# Altium PCB SysUprTestUUDown.PcbDoc (part 1 of 3) (continued)
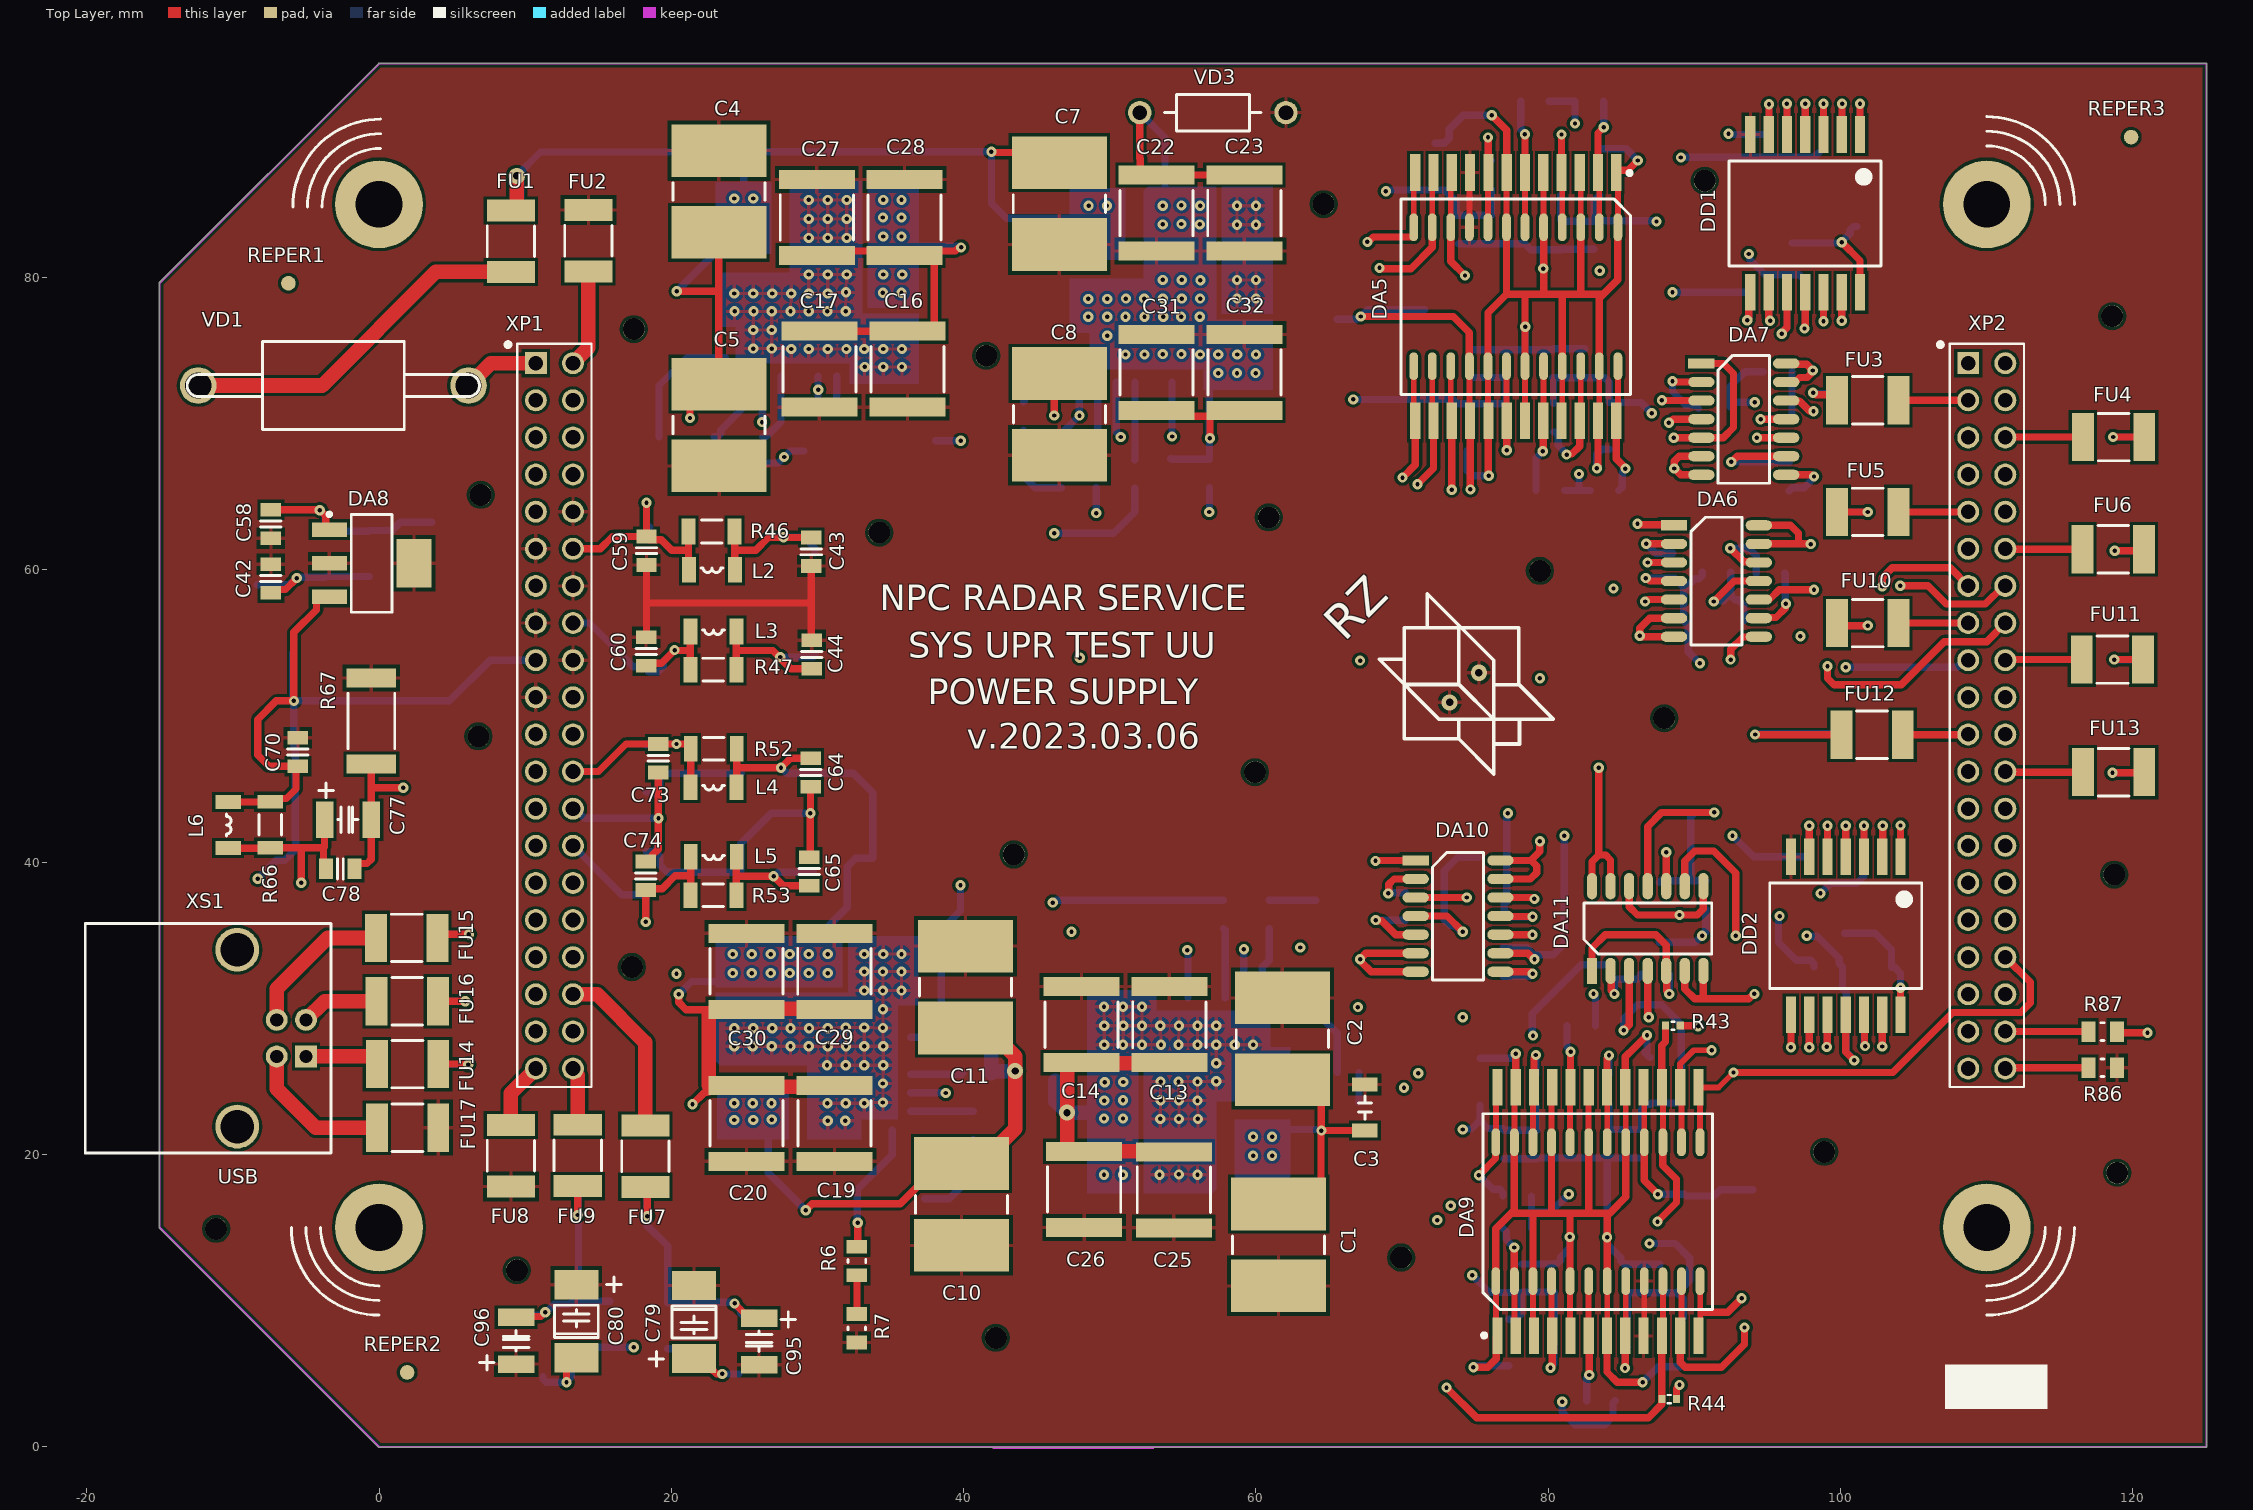
[diagram p0: Top Layer view]
## Footprints (in the part's own frame and the unit in brackets; to place one, negate y for a bottom-side part, rotate by r counter-clockwise, add the part's x,y. Pads: shape width x height; smd on the part's side, far side on the other; paste and mask are expansions set on the pad) (continued)
CapCaseB [mm]
  rect 2.5x1.2 smd: 1(0,1.6) 2(0,-1.6)
  silkscreen extent -2.5,-2 0.87,0.7, body extent -1.46,-1.85 1.47,1.85, height 2.03
CapCaseC [mm]
  rect 3x2 smd: 1(0,2.5) 2(0,-2.5)
  silkscreen extent -3.08,-3.02 1.5,1.1, body extent -1.75,-3.15 1.75,3.15, height 2.8
CapCaseD [mm]
  rect 3.2x2 smd: 1(0,3.5) 2(0,-3.5)
  silkscreen extent -3.65,-3.95 1.5,2, body extent -2.3,-3.8 2.3,3.8, height 3.1
DO-201AD [mm]
  round 2.5 hole 1.8 mask+0.02: A(-9.25,0) K(9.25,0)
  silkscreen extent -10,-3 10,3, body extent -9.9,-2.8 9.9,2.8, height 7.3
Ind1206 [mm] "Chip Inductor, 2-Leads, Body 3,20x1,60mm, IPC Medium Density"
  rect 1.75x0.95 smd: 1(0,1.575) 2(0,-1.575)
  silkscreen extent -0.1,-0.75 0.2,0.75, body extent -0.8,-1.6 0.8,1.6, height 0.6
"KD-4A 3D713A;3D713B" [mm]
  round 1.6 hole 1 mask+0.02: A(0,0) K(10,0)
  silkscreen extent 1.7,-1.25 8.3,1.25, body extent -0.38,-1.25 10.42,1.25, height 2.55
LTM8027_LGA-121 [mm] "BGA, 1-Leads, Body 15,00x15,00mmx4,30mm, Pitch 1,27mm"
  rrect50% 0.6x0.6 smd: A1(-6.35,-6.35) A1(-6.35,2.54) A1(-6.35,3.81) A1(-6.35,5.08) A1(-6.35,6.35) A1(-5.08,0) A1(-5.08,6.35) A1(-5.08,-5.08) A1(-5.08,-3.81) A1(-5.08,-2.54) A1(-5.08,-1.27) A1(-5.08,1.27) A1(-5.08,2.54) A1(-5.08,3.81) A1(-5.08,5.08) A1(-3.81,-5.08) A1(-3.81,-3.81) A1(-3.81,-2.54) A1(-3.81,-1.27) A1(-3.81,0) A1(-3.81,1.27) A1(-3.81,2.54) A1(-3.81,3.81) A1(-3.81,5.08) A1(-3.81,6.35) A1(-2.54,-6.35) A1(-2.54,-5.08) A1(-2.54,-3.81) A1(-2.54,-2.54) A1(-2.54,-1.27) A1(-2.54,0) A1(-2.54,1.27) A1(-2.54,2.54) A1(-2.54,3.81) A1(-2.54,5.08) A1(-2.54,6.35) A1(-1.27,-5.08) A1(-1.27,-3.81) A1(-1.27,-2.54) A1(-1.27,-1.27) A1(-1.27,1.27) A1(-1.27,2.54) A1(-1.27,-6.35) A1(-1.27,0) A1(0,-6.35) A1(0,-5.08) A1(0,-3.81) A1(0,-2.54) A1(0,-1.27) A1(0,0) A1(0,1.27) A1(0,2.54) A1(1.27,0) A1(1.27,-1.27) A1(1.27,1.27) A1(1.27,2.54) A1(2.54,-1.27) A1(2.54,0) A1(2.54,1.27) A1(2.54,2.54) A1(3.81,-1.27) A1(3.81,0) A1(3.81,1.27) A1(3.81,2.54) A1(5.08,-1.27) A1(5.08,1.27) A1(5.08,2.54) A1(5.08,0) A1(6.35,-1.27) A1(6.35,0) A1(6.35,1.27) A1(6.35,2.54) A2(-6.35,-5.08) A3(-6.35,-3.81) A4(-6.35,-2.54) A5(-6.35,-1.27) A6(-6.35,0) A7(-6.35,1.27) B1(-5.08,-6.35) C1(-3.81,-6.35) J1(2.54,-6.35) J1(2.54,-5.08) J1(2.54,-3.81) J1(3.81,-6.35) J1(3.81,-5.08) J1(3.81,-3.81) J1(5.08,-5.08) J1(5.08,-3.81) J1(5.08,-6.35) J1(6.35,-6.35) J1(6.35,-5.08) J1(6.35,-3.81) J9(-1.27,3.81) J9(-1.27,5.08) J9(-1.27,6.35) J9(0,3.81) J9(0,5.08) J9(0,6.35) J9(1.27,6.35) J9(1.27,3.81) J9(1.27,5.08) J9(2.54,3.81) J9(2.54,5.08) J9(2.54,6.35) J9(3.81,3.81) J9(3.81,5.08) J9(3.81,6.35) J9(5.08,3.81) J9(5.08,5.08) J9(5.08,6.35) J9(6.35,3.81) J9(6.35,5.08) J9(6.35,6.35)
  Top Layer region: 2,-7 2,-3.2 6.9,-3.2 6.9,-7
  Top Layer region: -6.875,6.9 -6.875,2.175 -5.475,2.175 -5.475,-5.625 -2.975,-5.625 -2.975,-7 0.725,-7 0.725,-1.925 6.725,-1.925 7,-1.65 7,3.025 -2.075,3.025 -2.075,6.9
  Top Layer region: -1.675,3.4 7,3.4 7,6.9 -1.675,6.9
  silkscreen extent -7.62,-8.37 7.5,7.5, body extent -7.5,-7.5 7.5,7.5, height 4.3
MF-MSMF_1 [mm]
  rect 1.5x3.3 smd: 1(-2.1,0) 2(2.1,0)
  silkscreen extent -1.05,-1.62 1.05,1.62, body extent -2.36,-1.71 2.36,1.71, height 0.3
PLD-40 [mm]
  rect 1.5x1.5 hole 1 mask+0: 1(-1.27,24.13)
  round 1.5 hole 1 mask+0: 2(1.27,24.13) 3(-1.27,21.59) 4(1.27,21.59) 5(-1.27,19.05) 6(1.27,19.05) 7(-1.27,16.51) 8(1.27,16.51) 9(-1.27,13.97) 10(1.27,13.97) 11(-1.27,11.43) 12(1.27,11.43) 13(-1.27,8.89) 14(1.27,8.89) 15(-1.27,6.35) 16(1.27,6.35) 17(-1.27,3.81) 18(1.27,3.81) 19(-1.27,1.27) 20(1.27,1.27) 21(-1.27,-1.27) 22(1.27,-1.27) 23(-1.27,-3.81) 24(1.27,-3.81) 25(-1.27,-6.35) 26(1.27,-6.35) 27(-1.27,-8.89) 28(1.27,-8.89) 29(-1.27,-11.43) 30(1.27,-11.43) 31(-1.27,-13.97) 32(1.27,-13.97) 33(-1.27,-16.51) 34(1.27,-16.51) 35(-1.27,-19.05) 36(1.27,-19.05) 37(-1.27,-21.59) 38(1.27,-21.59) 39(-1.27,-24.13) 40(1.27,-24.13)
  silkscreen extent -3.32,-25.4 2.54,25.55, body extent -2.5,-25.4 2.5,25.4, height 8.5
REPER1 [mm] "Diameter = 1mm"
  round 1 smd mask+0.5: REP(0,0)
Res0402 [mm] "Chip Resistor, 2-Leads, Body 1,00x0,50mm, IPC Medium Density"
  rect 0.55x0.5 smd: 1(0,0.5) 2(0,-0.5)
  silkscreen extent -0.28,-0.1 0.27,0.1, body extent -0.25,-0.5 0.25,0.5, height 0.4
Res0603 [mm] "Chip Resistor, 2-Leads, Body 1,60x0,80mm, IPC Medium Density"
  rect 0.9x0.65 smd: 1(0,0.75) 2(0,-0.75)
  silkscreen extent -0.35,-0.05 0.35,0.05, body extent -0.4,-0.8 0.4,0.8, height 0.5
Res0805 [mm] "Chip Resistor, 2-Leads, Body 2,00x1,25mm, IPC Medium Density"
  rect 1.4x0.95 smd: 1(0,0.975) 2(0,-0.975)
  silkscreen extent -0.6,-0.1 0.6,0.1, body extent -0.63,-1 0.63,1, height 0.43
Res1206 [mm] "Chip Resistor, 2-Leads, Body 3,20x1,60mm, IPC Medium Density"
  rect 1.75x0.95 smd: 1(0,1.575) 2(0,-1.575)
  silkscreen extent -0.77,-0.7 0.77,0.7, body extent -0.8,-1.6 0.8,1.6, height 0.6
Res2512 [mm] "Chip Resistor, 2-Leads, Body 6,30x3,20mm, IPC Medium Density"
  rect 3.4x1.3 smd: 1(0,2.95) 2(0,-2.95)
  silkscreen extent -1.6,-1.9 1.6,1.9, body extent -1.58,-3.15 1.58,3.15, height 0.55
"SMB_(DO-214AA) KA1-KA2" [mm] "SODFL, 2-Leads, Body 3,63x5,34mm, IPC Medium Density"
  rect 2.1x2.25 smd: KA1(-1.975,0) KA2(1.975,0)
  silkscreen extent -3.17,-2 2.4,2, body extent -2.65,-1.8 2.65,1.8, height 2.44
SOIC14 [mm]
  rect 1.8x0.7 smd paste+0: 1(-2.9,3.81)
  oval 1.8x0.7 smd paste+0: 2(-2.9,2.54) 3(-2.9,1.27) 4(-2.9,0) 5(-2.9,-1.27) 6(-2.9,-2.54) 7(-2.9,-3.81) 8(2.9,-3.81) 9(2.9,-2.54) 10(2.9,-1.27) 11(2.9,0) 12(2.9,1.27) 13(2.9,2.54) 14(2.9,3.81)
  silkscreen extent -1.75,-4.39 1.75,4.37, body extent -3,-4.37 3,4.38, height 1.75
SOT223 [mm] "SOT223, 4-Leads, Body 6,50x7,00mm (avg), Pitch 2,30mm, IPC Medium Density"
  rect 2.4x1 smd: 1(-2.9,2.3) 2(-2.9,0) 3(-2.9,-2.3)
  rect 2.4x3.3 smd: 4(2.9,0)
  silkscreen extent -3.02,-3.35 1.4,3.47, body extent -3.44,-3.25 3.49,3.25, height 1.64
USB_B [mm]
  rect 1.5x1.5 hole 0.9: 1(2.5,2)
  round 1.5 hole 0.9: 2(0,2) 3(0,0) 4(2.5,0)
  round 3 hole 2.3: ""(-4.8,-2.7) ""(7.3,-2.7)
  silkscreen extent -6.6,-13.1 9.1,3.7, body extent -6.2,-13 8.7,3.6, height 11.25

## Part data
C1 C2 C4 C5 C7 C8 C10 C11: library part 2664, Manufacturer="ОАО «ВЗРД Монолит»", ManufacturerTU=ФЦТА.673516.016ТУ, Package="0805 (8060M)", PartNumber="К10-84в-8060М-100 В-Н90-4,7 мкФ+80/-20 %-О", SolderTemperature=175, TemperatureRange="от минус 60 до 85", VoltageLimit=100, Alternative="2220 4,7 мкФ, 100 В, ±10 %", CardKRR=67, ComponentLink1Description=К10-84, ComponentLink1URL=\\192.168.0.101\U_Base\PDF\C\K10-84.pdf, DataSheet=#\\192.168.0.101\U_Base\PDF\C\K10-84.pdf#, Group=Конденсаторы, HelpURL=\\192.168.0.101\U_Base\PDF\C\K10-84.pdf, key=2664, MilitaryControl=ВП, Modify=13.03.2019, MountType=ПМ, Name=К10-84в, SolderName=K10-84v-8060M-100V-N90-4.7mkF, ViewControl="В, 10%", X_SORT_1=100, X_SORT_2=200, X_SORT_3=2
C3 C6 C9 C12: library part 2253, Manufacturer="ОАО «ВЗРД Монолит»", ManufacturerTU=ФЦТА.673516.016ТУ, Package="1206 (3216)", PartNumber="К10-84в-3216М-100 В-Н90-0,22 мкФ+80 %-20 %-О", SolderTemperature=175, TemperatureRange="от минус 60 до 85", VoltageLimit=100, Alternative="1206 0,22 мкФ, 100 В, ±10 %", CardKRR=67, ComponentLink1Description=К10-84, ComponentLink1URL=\\192.168.0.101\U_Base\PDF\C\K10-84.pdf, DataSheet=#\\192.168.0.101\U_Base\PDF\C\K10-84.pdf#, Group=Конденсаторы, HelpURL=\\192.168.0.101\U_Base\PDF\C\K10-84.pdf, key=2253, MilitaryControl=ВП, Modify=13.03.2019, MountType=ПМ, Name=К10-84в, SolderName=K10-84v-3216M-100V-N90-0,22mkF, ViewControl="В, 10%", X_SORT_1=100, X_SORT_2=200, X_SORT_3=2
C13 C14 C16 C17 C19 C20 C22 C23 C25 C26 C27 C28 C29 C30 C31 C32: library part 2252, Manufacturer=TDK, PartNumber=CKG57NX7R1E107M500JH, SolderTemperature=175, TemperatureRange="от минус 55 до 125", VoltageLimit=100, CardKRR=67, ComponentLink1URL=\\192.168.0.101\U_Base\PDF\C\CKG.pdf, DataSheet=#\\192.168.0.101\U_Base\PDF\C\CKG.pdf#, Group=Конденсаторы, HelpURL=\\192.168.0.101\U_Base\PDF\C\CKG.pdf, key=2252, MilitaryControl=ОТК, Modify=13.03.2019, MountType=ПМ, Name=CKG57NX7R1E107M500JH, Notice="TDK 100мкФ 25В", SolderName=CKG57NX7R1E107M500JH, ViewControl="В, 10%", X_SORT_3=2
C15 C18 C21 C24: library part 2153, Manufacturer="ОАО «ВЗРД Монолит»", ManufacturerTU=ФЦТА.673516.016ТУ, Package="0805 (2012)", PartNumber="К10-84в-2012М-25 В-Н90-0,22 мкФ+80 %-20 %-N-A", SolderTemperature=175, TemperatureRange="от минус 60 до 85", VoltageLimit=50, Alternative="0805 0,22 мкФ, 25 В, ±10 %", CardKRR=67, ComponentLink1Description=К10-84, ComponentLink1URL=\\192.168.0.101\U_Base\PDF\C\K10-84.pdf, DataSheet=#\\192.168.0.101\U_Base\PDF\C\K10-84.pdf#, Group=Конденсаторы, HelpURL=\\192.168.0.101\U_Base\PDF\C\K10-84.pdf, key=2153, MilitaryControl=ВП, Modify=13.03.2019, MountType=ПМ, Name=К10-84в, SolderName=K10-84v-2012M-25V-N90-0,22mkF, ViewControl="В, 10%", X_SORT_1=100, X_SORT_2=200, X_SORT_3=2
C33 C38 C39 C40 C41 C42 C43 C44 C49 C51 C57 C58 C59 C60 C64 C65 C69 C70 C73 C74 C75 C78 C81 C82 C83 C84 C85 C86 C91 C93 C97 C98: library part 2161, Manufacturer="ОАО «ВЗРД Монолит»", ManufacturerTU=ФЦТА.673516.016ТУ, Package="0805 (2012)", PartNumber="К10-84в-2012М-50 В-Н90-0,1 мкФ+80 %-20 %-N-A", SolderTemperature=175, TemperatureRange="от минус 60 до 85", VoltageLimit=50, Alternative="0805 0,1 мкФ, 50 В, ±10 %", CardKRR=67, ComponentLink1Description=К10-84, ComponentLink1URL=\\192.168.0.253\U_Base\PDF\C\K10-84.pdf, DataSheet=#\\192.168.0.253\U_Base\PDF\C\K10-84.pdf#, Group=Конденсаторы, HelpURL=\\192.168.0.253\U_Base\PDF\C\K10-84.pdf, key=2161, MilitaryControl=ВП, Modify=13.03.2019, MountType=ПМ, Name=К10-84в, SolderName=K10-84v-2012M-50V-N90-0,1mkF, ViewControl="В, 10%", X_SORT_1=100, X_SORT_2=200, X_SORT_3=2
C34 C50 C52 C76 C92 C94: library part 2660, Manufacturer="ОАО «ВЗРД Монолит»", ManufacturerTU=ФЦТА.673516.016ТУ, PartNumber="К10-84в-4532М-25 В-Н90-4,7 мкФ+80 %-20 %-О", SolderTemperature=175, TemperatureRange="от минус 60 до 85", VoltageLimit=25, Alternative="1812 4,7 мкФ, 25 В, ±10 %", CardKRR=67, ComponentLink1Description=К10-84, ComponentLink1URL=\\192.168.0.101\U_Base\PDF\C\K10-84.pdf, DataSheet=#\\192.168.0.101\U_Base\PDF\C\K10-84.pdf#, Group=Конденсаторы, HelpURL=\\192.168.0.101\U_Base\PDF\C\K10-84.pdf, key=2660, MilitaryControl=ВП, Modify=13.03.2019, MountType=ПМ, Name=К10-84в, SolderName=K10-84v-4532M-25V-N90-4.7mkF, ViewControl="В, 10%", X_SORT_1=100, X_SORT_2=200, X_SORT_3=2
C35 C36 C37 C61 C62 C79 C80: library part 2172, Manufacturer="АО «НИИ ГИРИКОНД»", ManufacturerTU=АЖЯР.673546.001ТУ, Package="K3 (Case С)", PartNumber="К53-56А-16 В-22 мкФ±20 %", SolderTemperature=265, TemperatureRange="от минус 60 до 125", VoltageLimit=16, Alternative="Case C 22 мкФ, 16 В, ±20 %", Alternative2="К53-56А-16 В-22 мкФ±20 % В АДПК.673546.005ТУ", CardKRR=67, ComponentLink1Description=К53-56А, ComponentLink1URL=\\192.168.0.253\U_Base\PDF\C\K53-56.pdf, DataSheet=#\\192.168.0.253\U_Base\PDF\C\К53-56А.pdf#, Group=Конденсаторы, HelpURL=\\192.168.0.253\U_Base\PDF\C\K53-56.pdf, key=2172, MilitaryControl=ВП, Modify=13.03.2019, MountType=ПМ, Name=К53-56А, SolderName=K53-56A-16V-22mkF, ViewControl="В, 10%", X_SORT_1=100, X_SORT_2=200, X_SORT_3=2
C45 C46 C47 C48 C53 C54 C55 C56 C67 C71 C72 C77 C87 C88 C89 C90 C95 C96: library part 2164, Manufacturer="АО «НИИ ГИРИКОНД»", ManufacturerTU=АЖЯР.673546.001ТУ, Package="K2 (Case B)", PartNumber="К53-56А-16 В-4,7 мкФ±20 %", SolderTemperature=265, TemperatureRange="от минус 60 до 125", VoltageLimit=16, Alternative="Case B 4,7 мкФ, 16 В, ±20 %", Alternative2="К53-56А-16 В-4,7 мкФ±20 % В АДПК.673546.005ТУ", CardKRR=67, ComponentLink1Description=К53-56А, ComponentLink1URL=\\192.168.0.253\U_Base\PDF\C\K53-56.pdf, DataSheet=#\\192.168.0.253\U_Base\PDF\C\К53-56А.pdf#, Group=Конденсаторы, HelpURL=\\192.168.0.253\U_Base\PDF\C\K53-56.pdf, key=2164, MilitaryControl=ВП, Modify=13.03.2019, MountType=ПМ, Name=К53-56А, SolderName=K53-56A-16V-4.7mkF, ViewControl="В, 10%", X_SORT_1=100, X_SORT_2=200, X_SORT_3=2
C63 C66 C68: library part 2249, Manufacturer="АО «НИИ ГИРИКОНД»", ManufacturerTU=АЖЯР.673546.006ТУ, Package="K3 (Case D)", PartNumber="К53-67-10 В-330 мкФ±10 %", SolderTemperature=265, TemperatureRange="от минус 60 до 125", VoltageLimit=32, Alternative="Case D 330 мкФ, 10 В, ±10 %", CardKRR=67, ComponentLink1Description=К53-67, Group=Конденсаторы, key=2249, MilitaryControl=ВП, Modify=13.03.2019, MountType=ПМ, Name=К53-67, SolderName=K53-67-10V-330mkF, ViewControl="В, 10%", X_SORT_1=100, X_SORT_2=200, X_SORT_3=2
DA1 DA2 DA3 DA4: library part 26, Manufacturer="Analog Devices", Package=LGA113, TemperatureRange="от минус 55 до 125", CardKRR=64, ComponentLink1URL=\\192.168.0.101\U_Base\PDF\D\LTM8027.pdf, DataSheet=#\\192.168.0.101\U_Base\PDF\D\LTM8027.pdf#, Group=Микросхемы, HelpURL=\\192.168.0.101\U_Base\PDF\D\LTM8027.pdf, key=26, MilitaryControl=ОТК, Modify=14.03.2019, MountType=ПМ, Name=LTM8027, Notice="Analog Devices", PartNumber=LTM8027MPV#PBF, SolderName=LTM8027MPV, ViewControl="В, 100%", X_SORT_1=200, X_SORT_2=401, X_SORT_3=2
DA5 DA9: library part 1, Manufacturer="ОАО «ИНТЕГРАЛ»", ManufacturerTU=АЕЯР.431320.701-03ТУ, Package=4118.24-2, PartNumber=1315ПТ24Т, TemperatureRange="от минус 60 до 125", Alternative=AD8403ARZ10, CardKRR=65, ComponentLink1URL="\\192.168.0.101\U_Base\PDF\D\Серия 1315.pdf", ComponentLink2Description="Аналог AD8403", ComponentLink2URL=\\192.168.0.253\U_Base\PDF\D\AD8403.pdf, DataSheet="#\\192.168.0.101\U_Base\PDF\D\Серия 1315.pdf#", Group=Микросхемы, HelpURL="\\192.168.0.101\U_Base\PDF\D\Серия 1315.pdf", key=1, MilitaryControl=ВП, Modify=14.03.2019, MountType=РМ, Name=1315ПТ24Т, SolderName=1315PT24T, ViewControl="В, 100%", X_SORT_1=200, X_SORT_2=400, X_SORT_3=2
DA6 DA7 DA10 DA11: library part 24, Manufacturer="Analog Devices", Package=SOIC14, PartNumber=AD824ARZ-14, TemperatureRange="от минус 60 до 150", CardKRR=63, ComponentLink1URL=\\192.168.0.101\U_Base\PDF\D\AD824.pdf, DataSheet=#\\192.168.0.101\U_Base\PDF\D\AD824.pdf#, Group=Микросхемы, HelpURL=\\192.168.0.101\U_Base\PDF\D\AD824.pdf, key=24, MilitaryControl=ОТК, Modify=14.03.2019, MountType=ПМ, Name=AD824ARZ-14, Notice="Analog Devices", SolderName=AD824ARZ-14, ViewControl="В, 100%", X_SORT_1=200, X_SORT_2=401, X_SORT_3=2
DA8: library part 112, Manufacturer="Texas Instruments", PartNumber=LM2937IMP-3.3/NOPB, TemperatureRange="от минус 40 до 125", VoltageLimit=26, CardKRR=64, Group=Микросхемы, key=112, MilitaryControl=ОТК, Modify=12.11.2020, MountType=ПМ, Name=LM2937IMP-3.3/NOPB, SolderName=LM2937IMP-3.3/NOPB, ViewControl="В, 100%", X_SORT_1=200, X_SORT_2=401, X_SORT_3=2
DD1 DD2: library part 81, CurrentLimit=0,0038, Manufacturer="ОАО «ИНТЕГРАЛ»", ManufacturerTU=бК0.347.364-01ТУ, Package=401.14-5, PartNumber=1533ЛА3, TemperatureRange="от минус 60 до 125", CardKRR=65, ComponentLink1URL=\\192.168.0.101\U_Base\PDF\D\1533ЛА3.pdf, DataSheet=#\\192.168.0.101\U_Base\PDF\D\1533ЛА3.pdf#, Group=Микросхемы, HelpURL=\\192.168.0.101\U_Base\PDF\D\1533ЛА3.pdf, key=81, MilitaryControl=ВП, Modify=17.04.2019, MountType=РМ, Name=1533ЛА3, SolderName=1533LA3, ViewControl="В, 100%", X_SORT_1=200, X_SORT_2=400, X_SORT_3=2
FU1 FU2 FU14 FU17: library part 77, Manufacturer=Bourns, PartNumber="Предохранитель самовосстанавливающийся MF-MSMF200, 2 A", TemperatureRange="от минус 40 до 85", CardKRR=87, ComponentLink1URL=\\192.168.0.101\U_Base\PDF\OTHER\MF-MSMFxxx.pdf, DataSheet=#\\192.168.0.101\U_Base\PDF\OTHER\MF-MSMFxxx.pdf#, Group=Предохранитель, HelpURL=\\192.168.0.101\U_Base\PDF\OTHER\MF-MSMFxxx.pdf, key=77, Mass=0,1, MilitaryControl=ОТК, Modify=05.12.2022, MountType=РМ, Name="MF-MSMF200, 2 A", SolderName="MF-MSMF200,2 A", ViewControl=В,100%, X_SORT_3=2
FU3 FU4 FU5 FU6 FU10 FU11 FU12 FU13: library part 70, Manufacturer=Bourns, PartNumber="Предохранитель самовосстанавливающийся MF-MSMF010, 0.1 A", TemperatureRange="от минус 40 до 85", CardKRR=87, ComponentLink1URL=\\192.168.0.101\U_Base\PDF\OTHER\MF-MSMFxxx.pdf, DataSheet=#\\192.168.0.101\U_Base\PDF\OTHER\MF-MSMFxxx.pdf#, Group=Предохранитель, HelpURL=\\192.168.0.101\U_Base\PDF\OTHER\MF-MSMFxxx.pdf, key=70, Mass=0,1, MilitaryControl=ОТК, Modify=05.12.2022, MountType=РМ, Name="MF-MSMF010, 0.1 A", SolderName="MF-MSMF010,0.1 A", ViewControl=В,100%, X_SORT_3=2
FU7 FU8 FU9 FU15 FU16: library part 74, Manufacturer=Bourns, PartNumber="Предохранитель самовосстанавливающийся MF-MSMF050, 0.5 A", TemperatureRange="от минус 40 до 85", CardKRR=87, ComponentLink1URL=\\192.168.0.101\U_Base\PDF\OTHER\MF-MSMFxxx.pdf, DataSheet=#\\192.168.0.101\U_Base\PDF\OTHER\MF-MSMFxxx.pdf#, Group=Предохранитель, HelpURL=\\192.168.0.101\U_Base\PDF\OTHER\MF-MSMFxxx.pdf, key=74, Mass=0,1, MilitaryControl=ОТК, Modify=05.12.2022, MountType=РМ, Name="MF-MSMF050, 0.5 A", SolderName="MF-MSMF050,0.5 A", ViewControl=В,100%, X_SORT_3=2
L1 L2 L3 L4 L5 L6 L7 L8: library part 4177, CurrentLimit=1,5, Manufacturer=Murata, Package="1206 (3216)", PartNumber=BLM31PG601SH1, TemperatureRange="от минус 55 до 125", CardKRR=86, ComponentLink1URL=\\192.168.0.253\U_Base\PDF\L\BLM31PG.pdf, DataSheet=#\\192.168.0.253\U_Base\PDF\L\BLM31PG.pdf#, Group=Индуктивности, HelpURL=\\192.168.0.253\U_Base\PDF\L\BLM31PG.pdf, key=4177, Mass=0,025, MilitaryControl=ОТК, Modify=20.02.2019, MountType=ПМ, Name=BLM31PG601SH1, Notice=Murata, SolderName=BLM31PG601SH1, ViewControl="В, 10%", X_SORT_1=300, X_SORT_2=701, X_SORT_3=2
R1: library part 32904924, Manufacturer="АО «НПО «Эркон»", ManufacturerTU=ОЖ0.467.164ТУ, Package="0603 (1608)", PartNumber="Р1-8В-0,1-27 кОм±5 %-Т-А", PowerLimit=0,1, SolderTemperature=255, TemperatureRange="от минус 65 до 155", VoltageLimit=100, Alternative="0603 27 кОм, 0,1 Вт, ±5 %", Alternative2="Р1-8В-0,1-27 кОм±5 %-Т-А ОЖ0.467.164ТУ", CardKRR=68, ComponentLink1Description=Р1-8В, ComponentLink1URL=\\192.168.0.101\U_Base\PDF\R\Р1-8В.pdf, DataSheet=#\\192.168.0.101\U_Base\PDF\R\Р1-8В.pdf#, Group=Резисторы, HelpURL=\\192.168.0.101\U_Base\PDF\R\Р1-8В.pdf, key=32904924, Mark=273, Mass=0,002, MilitaryControl=ВП, Modify=07.09.2022, MountType=ПМ, Name=Р1-8В, SolderName=R1-8B-0.1-27kOm, ViewControl="В, 10%", X_SORT_1=400, X_SORT_2=100, X_SORT_3=2
R2: library part 2991, Manufacturer="АО «НПО «Эркон»", ManufacturerTU=ОЖ0.467.164ТУ, Package="0805 (2012)", PartNumber="Р1-8В-0,125-4,7 кОм±5 %-Т-А", PowerLimit=0,125, SolderTemperature=255, TemperatureRange="от минус 65 до 155", VoltageLimit=150, Alternative="0805 4,7 кОм, 0,125 Вт, ±5 %", Alternative2="Р1-8В-0,125-4,7 кОм±5 %-Т-А ОЖ0.467.164ТУ", CardKRR=68, ComponentLink1Description=Р1-8В, ComponentLink1URL=\\192.168.0.101\U_Base\PDF\R\Р1-8В.pdf, DataSheet=#\\192.168.0.101\U_Base\PDF\R\Р1-8В.pdf#, Group=Резисторы, HelpURL=\\192.168.0.101\U_Base\PDF\R\Р1-8В.pdf, key=2991, Mark=472, Mass=0,006, MilitaryControl=ВП, Modify=28.06.2019, MountType=ПМ, Name=Р1-8В, SolderName=R1-8B-0.125-4.7kOm, ViewControl="В, 10%", X_SORT_1=400, X_SORT_2=100, X_SORT_3=2
R3 R4 R5 R8: library part 32904808, Manufacturer="АО «НПО «Эркон»", ManufacturerTU=ОЖ0.467.164ТУ, PartNumber="Р1-8В-0,125-1 МОм±5 %-Т-А", PowerLimit=0,125, SolderTemperature=255, TemperatureRange="от минус 65 до 155", VoltageLimit=150, Alternative2="Р1-8В-0,125-1 МОм±5 %-Т-А ОЖ0.467.164ТУ", CardKRR=68, ComponentLink1Description=Р1-8В, ComponentLink1URL=\\192.168.0.101\U_Base\PDF\R\Р1-8В.pdf, DataSheet=#\\192.168.0.101\U_Base\PDF\R\Р1-8В.pdf#, Group=Резисторы, HelpURL=\\192.168.0.101\U_Base\PDF\R\Р1-8В.pdf, key=32904808, MilitaryControl=ВП, Modify=28.06.2019, MountType=ПМ, Name=Р1-8В, SolderName=R1-8B-0.125-1MOm, ViewControl="В, 10%", X_SORT_1=400, X_SORT_2=100, X_SORT_3=2
R6: library part 3005, Manufacturer="АО «НПО «Эркон»", ManufacturerTU=ОЖ0.467.164ТУ, Package="0805 (2012)", PartNumber="Р1-8В-0,125-68 кОм±5 %-Т-А", PowerLimit=0,125, SolderTemperature=255, TemperatureRange="от минус 65 до 155", VoltageLimit=150, Alternative="0805 68 кОм, 0,125 Вт, ±5 %", Alternative2="Р1-8В-0,125-68 кОм±5 %-Т-А ОЖ0.467.164ТУ", CardKRR=68, ComponentLink1Description=Р1-8В, ComponentLink1URL=\\192.168.0.101\U_Base\PDF\R\Р1-8В.pdf, DataSheet=#\\192.168.0.101\U_Base\PDF\R\Р1-8В.pdf#, Group=Резисторы, HelpURL=\\192.168.0.101\U_Base\PDF\R\Р1-8В.pdf, key=3005, Mark=683, Mass=0,006, MilitaryControl=ВП, Modify=28.06.2019, MountType=ПМ, Name=Р1-8В, SolderName=R1-8B-0.125-68kOm, ViewControl="В, 10%", X_SORT_1=400, X_SORT_2=100, X_SORT_3=2
R7: library part 3003, Manufacturer="АО «НПО «Эркон»", ManufacturerTU=ОЖ0.467.164ТУ, Package="0805 (2012)", PartNumber="Р1-8В-0,125-6,8 кОм±5 %-Т-А", PowerLimit=0,125, SolderTemperature=255, TemperatureRange="от минус 65 до 155", VoltageLimit=150, Alternative="0805 6,8 кОм, 0,125 Вт, ±5 %", Alternative2="Р1-8В-0,125-6,8 кОм±5 %-Т-А ОЖ0.467.164ТУ", CardKRR=68, ComponentLink1Description=Р1-8В, ComponentLink1URL=\\192.168.0.101\U_Base\PDF\R\Р1-8В.pdf, DataSheet=#\\192.168.0.101\U_Base\PDF\R\Р1-8В.pdf#, Group=Резисторы, HelpURL=\\192.168.0.101\U_Base\PDF\R\Р1-8В.pdf, key=3003, Mark=682, Mass=0,006, MilitaryControl=ВП, Modify=28.06.2019, MountType=ПМ, Name=Р1-8В, SolderName=R1-8B-0.125-6.8kOm, ViewControl="В, 10%", X_SORT_1=400, X_SORT_2=100, X_SORT_3=2
R9: library part 32904921, Manufacturer="АО «НПО «Эркон»", ManufacturerTU=ОЖ0.467.164ТУ, Package="0805 (2012)", PartNumber="Р1-8В-0,125-82 кОм±5 %-Т-А", PowerLimit=0,125, SolderTemperature=255, TemperatureRange="от минус 65 до 155", VoltageLimit=150, Alternative="0805, 82кОм, 0,125 Вт, ±5 %", Alternative2="Р1-8В-0,125-82 кОм±5 %-Т-А ОЖ0.467.164ТУ", CardKRR=68, ComponentLink1Description=Р1-8В, ComponentLink1URL=\\192.168.0.101\U_Base\PDF\R\Р1-8В.pdf, DataSheet=#\\192.168.0.101\U_Base\PDF\R\Р1-8В.pdf#, Group=Резисторы, HelpURL=\\192.168.0.101\U_Base\PDF\R\Р1-8В.pdf, key=32904921, Mark=823, Mass=0,006, MilitaryControl=ВП, Modify=28.06.2019, MountType=ПМ, Name=Р1-8В, SolderName=R1-8B-0.125-82kOm, ViewControl="В, 10%", X_SORT_1=400, X_SORT_2=100, X_SORT_3=2
R10: library part 2963, Manufacturer="АО «НПО «Эркон»", ManufacturerTU=ОЖ0.467.164ТУ, Package="0805 (2012)", PartNumber="Р1-8В-0,125-10 кОм±5 %-Т-А", PowerLimit=0,125, SolderTemperature=255, TemperatureRange="от минус 65 до 155", VoltageLimit=150, Alternative="0805 10 кОм, 0,125 Вт, ±5 %", Alternative2="Р1-8В-0,125-10 кОм±5 %-Т-А ОЖ0.467.164ТУ", CardKRR=68, ComponentLink1Description=Р1-8В, ComponentLink1URL=\\192.168.0.101\U_Base\PDF\R\Р1-8В.pdf, DataSheet=#\\192.168.0.101\U_Base\PDF\R\Р1-8В.pdf#, Group=Резисторы, HelpURL=\\192.168.0.101\U_Base\PDF\R\Р1-8В.pdf, key=2963, Mark=103, Mass=0,006, MilitaryControl=ВП, Modify=28.06.2019, MountType=ПМ, Name=Р1-8В, SolderName=R1-8B-0.125-10kOm, ViewControl="В, 10%", X_SORT_1=400, X_SORT_2=100, X_SORT_3=2
R11 R13: library part 2986, Manufacturer="АО «НПО «Эркон»", ManufacturerTU=ОЖ0.467.164ТУ, Package="0805 (2012)", PartNumber="Р1-8В-0,125-33 кОм±5 %-Т-А", PowerLimit=0,125, SolderTemperature=255, TemperatureRange="от минус 65 до 155", VoltageLimit=150, Alternative="0805 33 кОм, 0,125 Вт, ±5 %", Alternative2="Р1-8В-0,125-33 кОм±5 %-Т-А ОЖ0.467.164ТУ", CardKRR=68, ComponentLink1Description=Р1-8В, ComponentLink1URL=\\192.168.0.101\U_Base\PDF\R\Р1-8В.pdf, DataSheet=#\\192.168.0.101\U_Base\PDF\R\Р1-8В.pdf#, Group=Резисторы, HelpURL=\\192.168.0.101\U_Base\PDF\R\Р1-8В.pdf, key=2986, Mark=333, Mass=0,006, MilitaryControl=ВП, Modify=28.06.2019, MountType=ПМ, Name=Р1-8В, SolderName=R1-8B-0.125-33kOm, ViewControl="В, 10%", X_SORT_1=400, X_SORT_2=100, X_SORT_3=2
R12: library part 32904922, Manufacturer="АО «НПО «Эркон»", ManufacturerTU=ОЖ0.467.164ТУ, Package="0805 (2012)", PartNumber="Р1-8В-0,125-75 кОм±5 %-Т-А", PowerLimit=0,125, SolderTemperature=255, TemperatureRange="от минус 65 до 155", VoltageLimit=150, Alternative="0805 75 кОм, 0,125 Вт, ±5 %", Alternative2="Р1-8В-0,125-75 кОм±5 %-Т-А ОЖ0.467.164ТУ", CardKRR=68, ComponentLink1Description=Р1-8В, ComponentLink1URL=\\192.168.0.101\U_Base\PDF\R\Р1-8В.pdf, DataSheet=#\\192.168.0.101\U_Base\PDF\R\Р1-8В.pdf#, Group=Резисторы, HelpURL=\\192.168.0.101\U_Base\PDF\R\Р1-8В.pdf, key=32904922, Mark=753, Mass=0,006, MilitaryControl=ВП, Modify=28.06.2019, MountType=ПМ, Name=Р1-8В, SolderName=R1-8B-0.125-75kOm, ViewControl="В, 10%", X_SORT_1=400, X_SORT_2=100, X_SORT_3=2
R14: library part 32904932, Manufacturer="АО «НПО «Эркон»", ManufacturerTU=ОЖ0.467.164ТУ, Package="0805 (2012)", PartNumber="Р1-8В-0,125-3,6 кОм±5 %-Т-А", PowerLimit=0,125, SolderTemperature=255, TemperatureRange="от минус 65 до 155", VoltageLimit=150, Alternative="0805 3,6 кОм, 0,125 Вт, ±5 %", Alternative2="Р1-8В-0,125-3,6 кОм±5 %-Т-А ОЖ0.467.164ТУ", CardKRR=68, ComponentLink1Description=Р1-8В, ComponentLink1URL=\\192.168.0.101\U_Base\PDF\R\Р1-8В.pdf, DataSheet=#\\192.168.0.101\U_Base\PDF\R\Р1-8В.pdf#, Group=Резисторы, HelpURL=\\192.168.0.101\U_Base\PDF\R\Р1-8В.pdf, key=32904932, Mark=362, Mass=0,006, MilitaryControl=ВП, Modify=07.10.2022, MountType=ПМ, Name=Р1-8В, SolderName=R1-8B-0.125-3.6kOm, ViewControl="В, 10%", X_SORT_1=400, X_SORT_2=100, X_SORT_3=2
R15 R17: library part 2970, Manufacturer="АО «НПО «Эркон»", ManufacturerTU=ОЖ0.467.164ТУ, Package="0805 (2012)", PartNumber="Р1-8В-0,125-150 кОм±5 %-Т-А", PowerLimit=0,125, SolderTemperature=255, TemperatureRange="от минус 65 до 155", VoltageLimit=150, Alternative="0805 150 кОм, 0,125 Вт, ±5 %", Alternative2="Р1-8В-0,125-150 кОм±5 %-Т-А ОЖ0.467.164ТУ", CardKRR=68, ComponentLink1Description=Р1-8В, ComponentLink1URL=\\192.168.0.101\U_Base\PDF\R\Р1-8В.pdf, DataSheet=#\\192.168.0.101\U_Base\PDF\R\Р1-8В.pdf#, Group=Резисторы, HelpURL=\\192.168.0.101\U_Base\PDF\R\Р1-8В.pdf, key=2970, Mark=154, Mass=0,006, MilitaryControl=ВП, Modify=28.06.2019, MountType=ПМ, Name=Р1-8В, SolderName=R1-8B-0.125-150kOm, ViewControl="В, 10%", X_SORT_1=400, X_SORT_2=100, X_SORT_3=2
R16 R18: library part 32904920, Manufacturer="АО «НПО «Эркон»", ManufacturerTU=ОЖ0.467.164ТУ, Package="0805 (2012)", PartNumber="Р1-8В-0,125-12 кОм±5 %-Т-А", PowerLimit=0,125, SolderTemperature=255, TemperatureRange="от минус 65 до 155", VoltageLimit=150, Alternative="0805 12 кОм, 0,125 Вт, ±5 %", Alternative2="Р1-8В-0,125-12 кОм±5 %-Т-А ОЖ0.467.164ТУ", CardKRR=68, ComponentLink1Description=Р1-8В, ComponentLink1URL=\\192.168.0.101\U_Base\PDF\R\Р1-8В.pdf, DataSheet=#\\192.168.0.101\U_Base\PDF\R\Р1-8В.pdf#, Group=Резисторы, HelpURL=\\192.168.0.101\U_Base\PDF\R\Р1-8В.pdf, key=32904920, Mark=123, Mass=0,006, MilitaryControl=ВП, Modify=28.06.2019, MountType=ПМ, Name=Р1-8В, SolderName=R1-8B-0.125-12kOm, ViewControl="В, 10%", X_SORT_1=400, X_SORT_2=100, X_SORT_3=2